# Altium PCB foxbms2-master.PcbDoc (part 6 of 11) (continued)
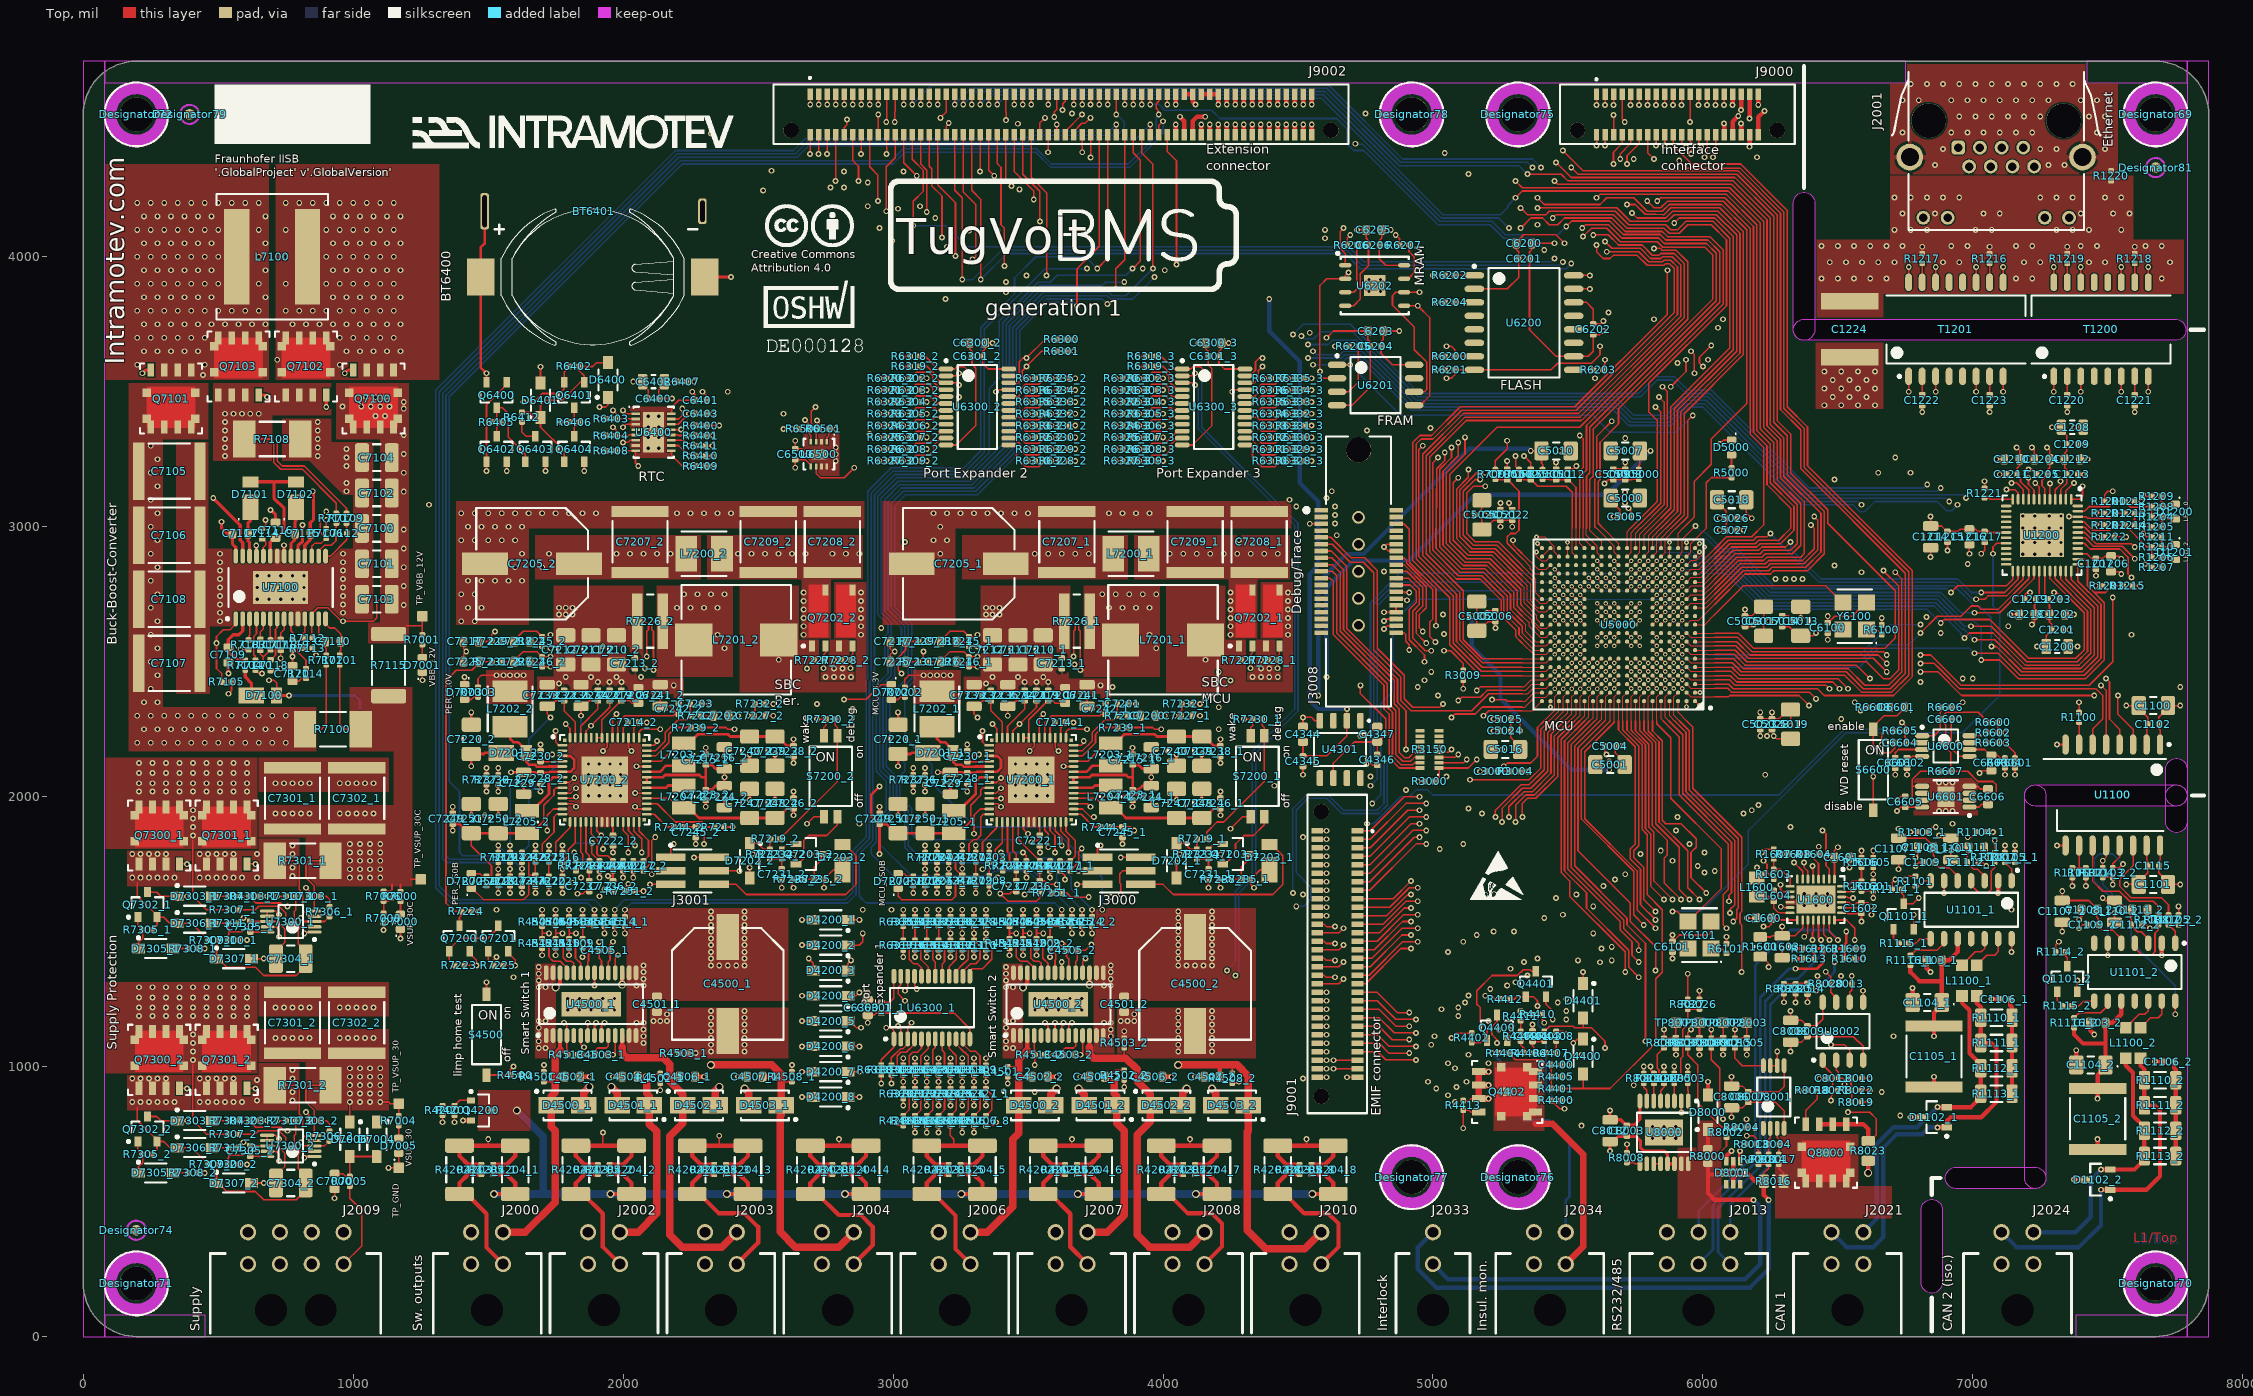
[diagram p0: Top view]
## Nets (pads, with @x,y where several pads share a name; then routed paths per layer and width w, separated by ;. In a path a pad name is that pad's centre, name@x,y a point inside that pad or via, vN(x,y) a via of type N, cw(c..) or ccw(c..) an arc to the next point about the centre after c; other vN are vias at no path point) (continued)
  Top w10: v2(3165.35,2090.35) C7229_1.2@3212.5,2090.35 3253.4,2090.35 3254.92,2088.83 C7228_1.2@3275,2088.83 3307.58,2088.83 3310.78,2092.03 U7200_1.6@3356.48,2092.03 3385.78,2092.03 3400,2106.25 3400,2137.5 3386.42,2151.08 U7200_1.3@3356.48,2151.08 ; U7200_1.35@3668.52,2052.66 U7200_1.36@3668.52,2072.34 3728.59,2072.34 3736.57,2080.32 3863.43,2080.32 3871.88,2071.88 3887.5,2071.88 ; 3887.5,2071.88 C7215_1.2@3887.5,2117.42 3909.68,2117.42 3923.71,2103.4 C7216_1.2@3956.25,2103.4 v2(3956.25,2071.88) C7224_1.2@3956.25,2040.35 3923.71,2040.35 3909.68,2026.33 C7223_1.2@3887.5,2026.33 3887.5,2071.88
  Top w16: v1(4330.71,4564.86) J9002.105@4330.71,4602.36 ; v1(4362.2,4564.86) J9002.107@4362.2,4602.36
  Int1 (Sig) w6: v2(3556.25,2306.25) 3587.5,2306.25 3650,2368.75 3650,2500 v2(3668.75,2518.75)
  Int5 (Pwr) w6: v2(900,3025) 997.85,3025 1037.5,3064.65 1037.5,3298.3 1126.7,3387.5 1537.5,3387.5 1587.5,3337.5 v2(1912.5,3337.5) ; v1(3075,1643.75) 3075,1687.5 ; v2(7156.25,2081.25) 7156.25,2153.92
  Int6 (Sig) w16: v1(4330.71,4564.86) v1(4362.2,4564.86) 4362.2,4587.2 4381.25,4606.25 4600,4606.25 4675,4531.25 4675,4175 v1(4600,4100) v1(4600,4068.75)
  other v2: 3137.5,2450 3162.5,2450 3187.5,2450 3212.5,2450 3343.75,2675 3368.75,2675 3393.75,2675 3343.75,2700 3368.75,2700 3393.75,2700
MCU_5.0V_LDO: C5010.2 C7234_1.2 C7235_1.2 FB5001.1 J9002.109 J9002.111 R6606.1 R7201.2 U7200_1.54 | length 8619.6
  Top w6: R7201.2@3118.75,1792.72 v2(3118.75,1818.75) ; U7200_1.54@3423.92,2218.52 3423.92,2261.42 3487.5,2325 C7234_1.2@3487.5,2354.92 3456.1,2354.92 3435.83,2334.65 C7235_1.2@3425,2334.65 v2(3425,2300) ; v2(5362.5,3281.25) C5010.2@5402.12,3281.25 5402.12,3235.38 5406.25,3231.25 FB5001.1@5406.25,3211.47 ; R6606.1@6917.72,2331.25 6945.76,2331.25 6962.5,2347.99 v2(6962.5,2350)
  Top w16: v1(4393.7,4564.61) J9002.109@4393.7,4602.36 ; v1(4425.2,4564.61) J9002.111@4425.2,4602.36
  Int3 (Sig) w16: v1(4750,4531.25) 4750,4487.5 4853.17,4384.33 v1(5043.75,4384.33) ; v2(5362.5,3281.25) 5430.81,3281.25 5457.64,3308.08 5588.74,3308.08 5608.84,3328.17 v1(5712.5,3328.17) 5965.58,3328.17 6031.25,3262.5 6662.5,3262.5 6725,3200 v1(6768.75,3200)
  Int1 (Sig) w6: v2(3118.75,1818.75) 3143.75,1793.75 3175,1793.75 3193.75,1812.5 3193.75,1975 3425,2206.25 v2(3425,2300)
  Int4 (Sig) w16: v2(3425,2300) 3458.08,2333.08 3567.36,2333.08 3594.19,2306.25 3812.5,2306.25 3881.25,2375 v1(4575,2375) ; v1(4393.7,4564.61) v1(4425.2,4564.61) 4425.2,4543.75 4437.7,4531.25 v1(4750,4531.25) ; v1(5043.75,4384.33) 5043.75,4343.75 5137.5,4250 5437.5,4250 5554.42,4133.08 5604.42,4133.08 5681.25,4056.25 5681.25,3703.99 5712.5,3672.74 v1(5712.5,3328.17) ; v1(6768.75,3200) 6768.75,2406.25 6825,2350 v2(6962.5,2350)
  Bottom w16: v1(4575,2375) 4575,2793.75 4680.27,2899.02 4742.77,2899.02 5133.08,3289.33 5354.42,3289.33 v2(5362.5,3281.25)
MCU_5.74V: C7220_1.2 C7221_1.2 D7201_1.1 Q4400.S R4402.2 U7200_1.53 | length 4206.6
  Top w6: U7200_1.53@3443.6,2218.52 3443.6,2243.6 v2(3468.75,2268.75) 3531.25,2331.25 C7221_1.2@3531.25,2354.92 ; v1(5068.75,1106.25) 5086.47,1123.97 R4402.2@5143.75,1123.97 ; Q4400.S@5274.9,1096.51 5274.9,1120.19 5289.88,1135.17 5289.88,1149.31 v1(5290.58,1150)
  Top w10: v2(3018.75,2112.5) C7220_1.2@3018.75,2158.37 3064.62,2158.37 3068.75,2162.5 D7201_1.1@3129.04,2162.5
  Int3 (Sig) w10: v2(3018.75,2112.5) 3125,2218.75 3418.75,2218.75 v2(3468.75,2268.75)
  Int1 (Sig) w6: v1(2993.75,1581.25) 2993.75,2087.5 v2(3018.75,2112.5)
  Int4 (Sig) w6: v1(2993.75,1581.25) 3018.75,1606.25 3787.5,1606.25 4093.75,1300 4143.75,1300 4512.5,931.25 4893.75,931.25 v1(5068.75,1106.25) 5206.25,1106.25 5212.5,1112.5 5253.08,1112.5 v1(5290.58,1150)
MCU_ADC.AD1EVT_1: J9002.56 U5000.N19 | length 3452.3
  Top w4: 5331.25,2856.25 5381.25,2806.25 5381.25,2754.77 U5000.N19@5404.04,2731.99
  Top w6: J9002.56@3543.31,4452.76 3543.31,4495.37 v1(3562.8,4514.86) ; v1(5193.75,3150) 5150,3150 5125,3125 5125,2975 5156.25,2943.75 5243.75,2943.75 5331.25,2856.25
  Int1 (Sig) w6: v1(3562.8,4514.86) 3562.8,4455.95 3606.25,4412.5 3731.25,4412.5 3793.75,4350 4043.75,4350 4125,4268.75 4918.75,4268.75 5212.5,3975 5212.5,3212.12 5215.58,3209.04 5215.58,3171.83 v1(5193.75,3150)
MCU_ADC.AD1IN0: C7245_1.2 R7244_1.2 U5000.W14 | length 3646
  Top w4: 5543.75,2993.75 5543.75,2938.73 U5000.W14@5561.52,2920.96
  Top w6: R7244_1.2@3805.22,1887.5 3832.47,1887.5 3833.8,1888.83 C7245_1.2@3850,1888.83 3879.92,1888.83 v2(3893.75,1875) ; 5543.75,2993.75 5543.75,3206.63 5556.25,3219.13 5556.25,3325 v1(5543.75,3337.5)
  Int3 (Sig) w6: v2(3893.75,1875) 3937.5,1831.25 4500,1831.25 v1(4518.75,1850) ; v1(4756.25,3356.25) 4943.75,3356.25 4975,3387.5 5018.75,3387.5 5053.17,3353.08 5316.82,3353.08 5332.4,3337.5 v1(5543.75,3337.5)
  Int1 (Sig) w6: v1(4518.75,1850) 4518.75,2050 4550,2081.25 4550,2979.77 4581.25,3011.02 4581.25,3250 4687.5,3356.25 v1(4756.25,3356.25)
MCU_ADC.AD1IN1: C7245_2.2 R7244_2.2 U5000.V17 | length 4549
  Top w4: v4(5383.61,2962.5) 5413.62,2962.5 5449.41,2926.71 5449.41,2907.09 U5000.V17@5467.03,2889.47
  Top w6: R7244_2.2@2223.97,1887.5 2251.22,1887.5 2252.55,1888.83 C7245_2.2@2268.75,1888.83 2284.95,1888.83 2300,1873.78 v2(2300,1825)
  Int3 (Sig) w6: v2(2300,1825) 2800,1825 v1(2875,1900) ; v1(2956.25,2625) 3112.5,2781.25 4765.35,2781.25 v1(4818.75,2834.65)
  Int1 (Sig) w6: v1(2875,1900) 2875,2393.75 2956.25,2475 v1(2956.25,2625) ; v1(4643.75,2968.75) 4731.25,2881.25 4772.15,2881.25 v1(4818.75,2834.65)
  Int6 (Sig) w4: 5331.25,2962.5 v4(5383.61,2962.5)
  Int6 (Sig) w6: v1(4643.75,2968.75) 4978.48,2968.75 4984.73,2975 5315.22,2975 5327.72,2962.5 5331.25,2962.5
MCU_ADC.AD1IN2: C8000.2 R8001.1 TP8000.1 U5000.V18 | length 2475.7
  Top w4: v4(5383.61,2906.25) 5383.61,2890.28 5400.71,2873.17 5419.24,2873.17 U5000.V18@5435.53,2889.47
  Top w6: v1(5956.25,1137.5) 5943.75,1125 R8001.1@5943.75,1105.22 5968.93,1105.22 5971.3,1107.58 C8000.2@5987.5,1107.58 ; TP8000.1@5987.5,1162.5 C8000.2@5987.5,1107.58 ; C8000.2@5989.47,1107.58 C8000.2@5987.5,1107.58
  Int3 (Sig) w6: v1(5493.75,1206.25) 5512.5,1206.25 5556.25,1162.5 5931.25,1162.5 v1(5956.25,1137.5)
  Int6 (Sig) w4: v4(5383.61,2906.25) 5383.61,2797.64 5387.5,2793.75 5387.5,2281.25
  Int6 (Sig) w6: 5387.5,2281.25 5387.5,1537.5 5431.25,1493.75 5431.25,1237.5 5462.5,1206.25 v1(5493.75,1206.25)
MCU_ADC.AD1IN3: C8002.2 R8009.1 TP8002.1 U5000.T17 | length 2416.2
  Top w4: v3(5451.28,2842.22) U5000.T17@5467.03,2826.48
  Top w6: v1(6031.25,1137.5) R8009.1@6031.25,1105.22 6056.43,1105.22 6058.8,1107.58 C8002.2@6075,1107.58 TP8002.1@6075,1162.5
  Int3 (Sig) w6: v1(5462.5,1237.5) 5464.81,1237.5 5474.14,1228.17 5509.33,1228.17 5562.5,1175 5993.75,1175 v1(6031.25,1137.5)
  Int6 (Sig) w4: 5400,2281.25 5400,2790.94 v3(5451.28,2842.22)
  Int6 (Sig) w6: 5400,2281.25 5400,1625 5443.75,1581.25 5443.75,1256.25 v1(5462.5,1237.5)
MCU_ADC.AD1IN4: C8001.2 R8006.1 TP8001.1 U5000.U18 | length 2576.8
  Top w4: 5331.25,2900 5389.45,2841.8 5419.36,2841.8 U5000.U18@5435.53,2857.97
  Top w6: v1(5296.92,2950) 5296.92,2934.33 5331.25,2900 ; v1(5856.25,1137.5) R8006.1@5856.25,1105.22 5881.43,1105.22 5883.8,1107.58 C8001.2@5900,1107.58 TP8001.1@5900,1162.5
  Int3 (Sig) w6: v1(5493.75,1175) 5518.75,1175 5556.25,1137.5 v1(5856.25,1137.5)
  Int6 (Sig) w4: 5331.25,2915.67 5368.75,2878.17 5368.75,2793.75 5375,2787.5 5375,2281.25
  Int6 (Sig) w6: v1(5296.92,2950) 5331.25,2915.67 ; 5375,2281.25 5375,1531.25 5418.75,1487.5 5418.75,1231.25 5475,1175 v1(5493.75,1175)
MCU_ADC.AD1IN5: C8005.2 R8015.1 TP8003.1 U5000.R17 | length 2436.2
  Top w4: v3(5451.28,2810.73) U5000.R17@5467.03,2794.98
  Top w6: v1(6118.75,1137.5) R8015.1@6118.75,1105.22 6143.93,1105.22 6146.3,1107.58 C8005.2@6162.5,1107.58 TP8003.1@6162.5,1162.5
  Int3 (Sig) w6: v1(5493.75,1250) 5505.58,1238.17 5518.08,1238.17 5568.75,1187.5 6068.75,1187.5 v1(6118.75,1137.5)
  Int6 (Sig) w4: 5412.5,2281.25 5412.5,2771.95 v3(5451.28,2810.73)
  Int6 (Sig) w6: 5412.5,2281.25 5412.5,1631.25 5456.25,1587.5 5456.25,1287.5 v1(5493.75,1250)
MCU_ADC.AD1IN6: C7001.2 R7007.2 U5000.T19 | length 508
  Top w4: 5331.25,2882.44 5361.13,2852.56 5361.13,2845.12 5379.77,2826.48 U5000.T19@5404.04,2826.48
  Top w6: R7007.2@5231.25,3176.03 5246.08,3176.03 5248.44,3173.67 C7001.2@5275,3173.67 5276.97,3173.67 5318.75,3131.89 5318.75,2987.5 5306.25,2975 5287.5,2975 5275,2962.5 5275,2938.69 5331.25,2882.44
MCU_ADC.AD1IN7: U5000.V14
MCU_ADC.AD1IN8: U5000.P18
MCU_ADC.AD1IN9: U5000.W17
MCU_ADC.AD1IN10: U5000.U17
MCU_ADC.AD1IN11: U5000.U19
MCU_ADC.AD1IN12: U5000.T16
MCU_ADC.AD1IN13: U5000.T18
MCU_ADC.AD1IN14: U5000.R18
MCU_ADC.AD1IN15: U5000.P19
MCU_ADC.AD1IN16: U5000.V13
MCU_ADC.AD1IN17: U5000.U13
MCU_ADC.AD1IN18: U5000.U14
MCU_ADC.AD1IN19: U5000.U16
MCU_ADC.AD1IN20: U5000.U15
MCU_ADC.AD1IN21: U5000.T15
MCU_ADC.AD1IN22: U5000.R19
MCU_ADC.AD1IN23: U5000.R16
MCU_ADC.AD1IN24: J9002.58 U5000.N18 | length 3362.4
  Top w4: 5331.25,2837.5 5373.25,2795.5 5373.25,2739.25 5396.19,2716.31 5419.85,2716.31 U5000.N18@5435.53,2731.99
  Top w6: v1(3574.51,4387.5) 3574.51,4426.81 3574.8,4427.1 J9002.58@3574.8,4452.76 ; v1(5175,3175) 5156.25,3175 5112.5,3131.25 5112.5,2968.75 5150,2931.25 5237.5,2931.25 5331.25,2837.5
  Int1 (Sig) w6: v1(3574.51,4387.5) 3637.01,4325 4031.25,4325 4112.5,4243.75 4906.25,4243.75 5187.5,3962.5 5187.5,3231.25 5168.75,3212.5 5168.75,3194.13 5173.06,3189.83 5173.06,3176.94 v1(5175,3175)
MCU_ADC.AD1IN25: J9002.59 U5000.P17 | length 3329.7
  Top w4: v4(5451.28,2779.23) U5000.P17@5467.03,2763.48
  Top w6: v1(3597.05,4518.04) 3597.05,4536.61 3606.55,4546.11 3606.3,4546.36 J9002.59@3606.3,4602.36
  Int1 (Sig) w4: 5381.25,2993.75 5462.5,2912.5 5462.5,2856.25 5468.75,2850 5468.75,2796.7 v4(5451.28,2779.23)
  Int1 (Sig) w6: v1(3597.05,4518.04) 3581.25,4502.24 3581.25,4456.25 3612.5,4425 3743.75,4425 3806.25,4362.5 4050,4362.5 4131.25,4281.25 4925,4281.25 5225,3981.25 5225,3212.5 5318.75,3118.75 5318.75,3056.25 5381.25,2993.75
MCU_ADC.AD1IN26: J9002.60 U5000.P16 | length 3239
  Top w4: v4(5482.78,2779.23) U5000.P16@5498.52,2763.48
  Top w6: J9002.60@3606.3,4452.76 v1(3606.3,4489.86)
  Int1 (Sig) w4: 5400,2993.75 5500,2893.75 5500,2796.46 v4(5482.78,2779.23)
  Int1 (Sig) w6: v1(3606.3,4489.86) 3606.3,4462.2 3631,4437.5 3750,4437.5 3812.5,4375 4056.25,4375 4137.5,4293.75 4931.25,4293.75 5237.5,3987.5 5237.5,3218.75 5331.25,3125 5331.25,3062.5 5400,2993.75
MCU_ADC.AD1IN27: J9002.61 U5000.P15 | length 3288
  Top w4: v4(5514.27,2779.23) U5000.P15@5530.02,2763.48
  Top w6: v1(3628.22,4543.57) 3628.22,4567.14 3637.8,4576.71 J9002.61@3637.8,4602.36 J9002.61@3636.31,4600.87
  Int1 (Sig) w4: 5418.75,2993.75 5514.27,2898.23 v4(5514.27,2779.23)
  Int1 (Sig) w6: v1(3628.22,4543.57) 3628.22,4496.78 3675,4450 3756.25,4450 3818.75,4387.5 4062.5,4387.5 4143.75,4306.25 4937.5,4306.25 5250,3993.75 5250,3225 5343.75,3131.25 5343.75,3068.75 5418.75,2993.75
MCU_ADC.AD1IN28: U5000.R15
MCU_ADC.AD1IN29: U5000.R14
MCU_ADC.AD1IN30: U5000.T14
MCU_ADC.AD1IN31: U5000.T13
MCU_ADC.AD2EVT_1: J9002.57 U5000.T10 | length 3468.8
  Top w4: v3(5671.75,2842.22) U5000.T10@5687.5,2826.48
  Top w6: v1(3574.8,4564.86) J9002.57@3574.8,4602.36
  Int1 (Sig) w4: 5520.23,2993.75 5631.25,2882.73 5631.25,2856.25 5645.28,2842.22 v3(5671.75,2842.22)
  Int1 (Sig) w6: v1(3574.8,4564.86) 3609.94,4600 4066,4600 4087.5,4578.5 4087.5,4548.25 4102.5,4533.25 4102.5,4403.91 4162.66,4343.75 4956.25,4343.75 5287.5,4012.5 5287.5,3425 5412.5,3300 5412.5,3101.48 5520.23,2993.75
MCU_ADC.AD2IN16: J9002.62 U5000.W13 | length 4023.1
  Top w4: 5556.25,2993.75 5556.25,2957.73 U5000.W13@5593.01,2920.96
  Top w6: J9002.62@3637.8,4452.76 3637.8,4464.57 3700.3,4527.07 v1(3700.3,4527.36) ; 5556.25,2993.75 5556.25,3197.35 5568.75,3209.85 5568.75,3375 6035.98,3842.23 6035.98,4007.77 6007.77,4035.98 5851.52,4035.98 5831.25,4056.25 5693.75,4056.25 5643.75,4106.25 5587.5,4106.25 v1(5556.25,4075)
  Int4 (Sig) w6: v1(3700.3,4527.36) 3700.3,4450.46 3782.01,4368.75 4931.25,4368.75 5131.25,4168.75 5275,4168.75 5300,4143.75 5406.25,4143.75 5475,4075 v1(5556.25,4075)
MCU_ADC.AD2IN17: J9002.63 U5000.W12 | length 4066.3
  Top w4: 5581.25,2993.75 5581.25,2987.5 5624.51,2944.24 U5000.W12@5624.51,2920.96
  Top w6: v1(3669.29,4564.86) J9002.63@3669.29,4602.36 ; v1(5493.75,4112.5) 5514.02,4132.77 5654.73,4132.77 5704.73,4082.77 5842.23,4082.77 5862.5,4062.5 6018.75,4062.5 6062.5,4018.75 6062.5,3831.25 5593.75,3362.5 5593.75,3187.5 5581.25,3175 5581.25,2993.75
  Int4 (Sig) w6: v1(3669.29,4564.86) 3691.93,4587.5 3968.75,4587.5 3984.52,4571.73 3984.52,4559.52 4025,4519.05 4025,4475 4037.5,4462.5 4556.25,4462.5 4600,4418.75 v1(4712.5,4418.75)
  Bottom w6: v1(4712.5,4418.75) 4714.27,4416.98 4739.27,4416.98 5025,4131.25 5218.75,4131.25 5268.75,4081.25 5462.5,4081.25 v1(5493.75,4112.5)
MCU_ADC.AD2IN18: J9002.64 U5000.V12 | length 4003.8
  Top w4: 5568.75,2993.75 5568.75,2968.75 5609.44,2928.06 5609.44,2904.53 U5000.V12@5624.51,2889.47
  Top w6: J9002.64@3669.29,4452.76 3669.29,4464.57 3699.28,4494.55 3711.24,4494.55 v1(3731.55,4514.86) ; v1(5553.08,4106.25) 5566.34,4119.51 5649.24,4119.51 5699.24,4069.51 5836.74,4069.51 5857.01,4049.24 6013.26,4049.24 6049.24,4013.26 6049.24,3836.74 5581.25,3368.75 5581.25,3200 5568.75,3187.5 5568.75,2993.75
  Int4 (Sig) w6: v1(3731.55,4514.86) 3731.55,4487.2 3837.5,4381.25 4937.5,4381.25 5137.5,4181.25 5281.25,4181.25 5306.25,4156.25 5412.5,4156.25 5425,4168.75 5490.58,4168.75 v1(5553.08,4106.25)
MCU_ADC.AD2IN19: J9002.65 U5000.U12 | length 3250.2
  Top w4: v4(5608.76,2873.72) U5000.U12@5624.51,2857.97
  Top w6: v1(3700.79,4564.86) J9002.65@3700.79,4602.36
  Int1 (Sig) w4: 5488.73,2993.75 v4(5608.76,2873.72)
  Int1 (Sig) w6: v1(3700.79,4564.86) 3700.79,4564.97 3723.32,4587.5 4062.5,4587.5 4076.75,4573.25 4076.75,4544 4092.5,4528.25 4092.5,4395 4156.25,4331.25 4950,4331.25 5275,4006.25 5275,3418.75 5400,3293.75 5400,3082.48 5488.73,2993.75
MCU_ADC.AD2IN20: U5000.T11
MCU_ADC.AD2IN21: U5000.U11
MCU_ADC.AD2IN22: U5000.V11
MCU_ADC.AD2IN23: U5000.W11
MCU_ADC.AD2IN24: U5000.V19 U5000.W18 | length 44.5
  Top w4: U5000.V19@5404.04,2889.47 U5000.W18@5435.53,2920.96
MCU_CAN1.RX_1: R1108_1.1 U5000.B10 | length 2743.9
  Top w4: 5671.75,2281.25 5671.75,2369.78 U5000.B10@5687.5,2385.53
  Top w6: 5671.75,2281.25 5671.75,2276.07 5562.5,2166.82 5562.5,1918.75 5756.25,1725 5756.25,1581.25 v1(5825,1512.5) ; R1108_1.1@7081.25,1792.72 v1(7081.25,1837.5)
  Int3 (Sig) w6: v1(5825,1512.5) 5843.75,1531.25 5968.75,1531.25 6137.5,1700 6556.25,1700 6600,1656.25 6837.5,1656.25 6868.75,1687.5 7062.5,1687.5 7180.88,1805.88 7180.88,1837.5 7155.88,1862.5 7106.25,1862.5 v1(7081.25,1837.5)
MCU_CAN1.TX_1: R1107_1.1 U5000.A10 | length 2384.2
  Top w4: 5687.5,2281.25 U5000.A10@5687.5,2354.04
  Top w6: 5687.5,2281.25 5687.5,2247.42 5750,2184.92 5750,1825 5731.25,1806.25 5731.25,1768.75 5768.75,1731.25 5768.75,1600 v1(5825,1543.75) ; R1107_1.1@7118.75,1792.72 v1(7118.75,1818.75)
  Int3 (Sig) w6: v1(5825,1543.75) 5962.5,1543.75 6131.25,1712.5 6562.5,1712.5 6606.25,1668.75 6831.25,1668.75 6862.5,1700 7053.81,1700 7118.75,1764.94 v1(7118.75,1818.75)
MCU_CAN2.RX_1: U1100.6 U5000.H1 | length 1790.2
  Top w4: U5000.H1@5970.96,2574.51 6043.75,2574.51
  Top w6: 6043.75,2574.51 6125.49,2574.51 6175,2525 6650,2525 v1(6681.25,2493.75) ; v1(6806.25,2493.75) 6857.32,2493.75 6875.3,2475.78 6951.07,2400 7456.25,2400 7481.25,2375 7481.25,2287.5 7443.75,2250 U1100.6@7443.75,2193.26
  Int3 (Sig) w6: v1(6681.25,2493.75) v1(6806.25,2493.75)
MCU_CAN2.TX_1: U1100.3 U5000.H2 | length 1885.7
  Top w4: U5000.H2@5939.47,2574.51 5955.22,2558.76 6043.75,2558.76
  Top w6: 6043.75,2558.76 6121.75,2558.76 6168.01,2512.5 6631.25,2512.5 v1(6681.25,2462.5) ; v1(6806.25,2462.5) 6870.89,2462.5 6958.39,2375 v1(7450,2375) ; v1(7537.5,2375) 7537.5,2306.25 7593.75,2250 U1100.3@7593.75,2193.26
  Int3 (Sig) w6: v1(6681.25,2462.5) v1(6806.25,2462.5) ; v1(7450,2375) v1(7537.5,2375)
MCU_CAN3.RX_1: J9002.33 U5000.M19 | length 3918
  Top w4: 5331.25,2818.75 5362.5,2787.5 5362.5,2725 5387.01,2700.49 U5000.M19@5404.04,2700.49
  Top w6: v1(3175.3,4514.86) 3196.85,4536.42 J9002.33@3196.85,4602.36 ; v1(5193.75,3200) 5162.5,3200 5100,3137.5 5100,2962.5 5143.75,2918.75 5231.25,2918.75 5331.25,2818.75
  Int1 (Sig) w6: v1(3175.3,4514.86) 3203.47,4543.04 3511.81,4543.04 3537.5,4517.35 3537.5,4462.5 3662.5,4337.5 4037.5,4337.5 4118.75,4256.25 4912.5,4256.25 5200,3968.75 5200,3219.13 5195.69,3214.83 5195.69,3201.94 v1(5193.75,3200)
MCU_CAN3.TX_1: J9002.34 U5000.M18 | length 3871.4
  Top w4: 5331.25,2800 5350,2781.25 5350,2725 5390.07,2684.93 5419.97,2684.93 U5000.M18@5435.53,2700.49
  Top w6: J9002.34@3196.85,4452.76 3196.85,4484.84 3206.55,4494.53 v1(3206.55,4496.11) ; v1(5131.25,3212.5) 5131.25,3182.89 5087.6,3139.25 5087.6,2956.15 5137.5,2906.25 5225,2906.25 5331.25,2800
  Int1 (Sig) w6: v1(3206.55,4496.11) 3233.61,4496.11 3268.75,4531.25 3507.92,4531.25 3525,4514.17 3525,4456.25 3543.75,4437.5 3543.75,4381.25 3612.5,4312.5 4025,4312.5 4106.25,4231.25 4900,4231.25 5175,3956.25 5175,3256.25 v1(5131.25,3212.5)
MCU_CAN4.RX_1: J9002.35 U5000.W10 | length 4740.1
  Top w4: 5631.25,2993.75 5687.5,2937.5 U5000.W10@5687.5,2920.96
  Top w6: v1(3228.35,4564.86) J9002.35@3228.35,4602.36 ; v1(5325,4106.25) 5362.5,4143.75 5406.25,4143.75 5431.25,4118.75 5462.5,4118.75 5487.5,4143.75 5662.5,4143.75 5712.5,4093.75 5850,4093.75 5868.75,4075 6025,4075 6075,4025 6075,3825 5687.5,3437.5 5687.5,3381.25 5618.75,3312.5 5618.75,3173.67 5612.5,3167.42 5612.5,3012.5 5631.25,2993.75
  Int3 (Sig) w6: v1(5325,4106.25) 5362.5,4143.75 5362.5,4231.25 5381.25,4250 5381.25,4318.75 v1(5368.75,4331.25)
  Bottom w6: v1(3228.35,4564.86) 3288.48,4625 4606.25,4625 4881.25,4350 5350,4350 v1(5368.75,4331.25)
MCU_CAN4.TX_1: J9002.36 U5000.F2 | length 6970.1
  Top w4: U5000.F2@5939.47,2511.52 5955.22,2495.77 6043.75,2495.77
  Top w6: J9002.36@3228.35,4452.76 3228.35,4246.65 3256.25,4218.75 v1(3256.25,3915.67) ; v1(5481.25,4393.75) 5556.25,4318.75 5632.57,4318.75 6129.99,4318.75 6287.5,4161.24 6287.5,3434.28 6362.5,3359.28 6362.5,3215.53 6750,2828.03 6750,2456.25 6693.75,2400 6593.75,2400 6531.25,2462.5 6142.52,2462.5 6109.25,2495.77 6043.75,2495.77
  Int3 (Sig) w6: v1(5481.25,3981.25) 5518.75,4018.75 5518.75,4287.5 5481.25,4325 v1(5481.25,4393.75)
  Bottom w6: v1(3256.25,3915.67) 3294.13,3915.67 3403.46,4025 4681.25,4025 4737.5,3968.75 5468.75,3968.75 v1(5481.25,3981.25)
MCU_CLK.2.22MHz_1: R7251_1.1 U5000.A12 U7200_1.20 | length 4993.5
  Top w4: 5618.75,2281.25 5624.51,2287.01 U5000.A12@5624.51,2354.04
  Top w6: U7200_1.20@3482.97,1906.48 3482.97,1879.53 v2(3500,1862.5) ; v1(3512.72,1654.15) 3527.32,1668.75 3563.53,1668.75 R7251_1.1@3588.53,1643.75 ; 5618.75,2281.25 5525,2187.5 5525,1743.75 5718.75,1550 5718.75,1525 5787.5,1456.25 v1(5787.5,1093.75)
  Int3 (Sig) w6: v1(4518.75,956.25) 4537.5,937.5 4718.75,937.5 4812.5,843.75 5356.25,843.75 5425,912.5 5725,912.5 v1(5743.75,931.25)
  Int1 (Sig) w6: v2(3500,1862.5) 3487.5,1850 3487.5,1818.75 3518.75,1787.5 3518.75,1690.67 3512.72,1684.64 v1(3512.72,1654.15) ; v1(4518.75,956.25) v1(4518.75,1637.5) ; v1(5743.75,931.25) 5743.75,1050 v1(5787.5,1093.75)
  Int6 (Sig) w6: v1(3512.72,1654.15) 3513.7,1653.17 3709.42,1653.17 3725,1668.75 3862.5,1668.75 3912.5,1618.75 4500,1618.75 v1(4518.75,1637.5)
MCU_CLK.20MHz_1: U5000.K1 Y6100.3 | length 634
  Top w4: U5000.K1@5970.96,2637.5 6006.25,2637.5 6043.75,2675
  Top w6: 6043.75,2675 6150.44,2781.69 6454.28,2781.69 6517.22,2718.75 Y6100.3@6519.19,2718.75
MCU_CLK.25MHz_1: U1200.20 U5000.B5 Y6101.3 | length 3310.5
  Top w4: 5829.23,2281.25 5829.23,2369.78 U5000.B5@5844.98,2385.53
  Top w6: 5829.23,2281.25 5829.23,2270.32 5881.25,2218.31 5881.25,1993.75 6068.75,1806.25 6068.75,1660.09 5946.16,1537.5 Y6101.3@5944.19,1537.5 5942.22,1537.5 5904.72,1575 v1(5887.5,1575) ; v2(7075,2900) 7075,2925 7089.22,2939.22 U1200.20@7123.38,2939.22
  Bottom w6: v1(5887.5,1575) 5993.75,1575 6168.75,1750 6168.75,1875 6531.25,2237.5 6962.5,2237.5 7100,2375 7100,2681.25 7075,2706.25 v2(7075,2900)
MCU_DCC.1_1: J9002.50 U5000.J17 | length 3518
  Top w4: v3(5451.28,2590.26) U5000.J17@5467.03,2606
  Top w6: J9002.50@3448.82,4452.76 3448.82,4316.04 3521.36,4243.5 v1(3521.36,4212.5)
  Int4 (Sig) w4: 5425,2993.75 5431.25,2987.5 5431.25,2893.75 5406.25,2868.75 5406.25,2635.29 v3(5451.28,2590.26)
  Int4 (Sig) w6: v1(3521.36,4212.5) 3640.33,4212.5 3647.34,4205.49 4865.22,4205.49 5275,3795.71 5275,3425 5400,3300 5400,3150 5412.5,3137.5 5412.5,3006.25 5425,2993.75
MCU_DCC.2_1: U5000.D6 U6400.6 | length 4948.5
  Top w4: U5000.D6@5813.48,2448.52 v3(5829.23,2432.78)
  Top w6: v2(2000,3312.5) 2018.24,3312.5 2026.22,3320.47 U6400.6@2045.96,3320.47
  Int3 (Sig) w6: v2(2000,3312.5) 2000,3231.25 2100,3131.25 4475,3131.25 4593.75,3012.5 v1(4637.5,3012.5)
  Int6 (Sig) w4: 5643.75,2993.75 5718.75,2918.75 5718.75,2459.25 5728.59,2449.41 5812.59,2449.41 v3(5829.23,2432.78)
  Int6 (Sig) w6: v1(4637.5,3012.5) 4581.25,3068.75 4581.25,3131.25 4637.5,3187.5 4918.75,3187.5 4968.75,3137.5 5087.5,3137.5 5175,3225 5212.5,3225 5300,3137.5 5500,3137.5 5643.75,2993.75
MCU_DMM.\ENA_1: U5000.F16
MCU_DMM.CLK_1: U5000.F17
MCU_DMM.DATA0_1: U5000.L19
MCU_DMM.DATA1_1: U5000.L18
MCU_DMM.SYNC_1: U5000.J16
MCU_ECAP.4_1: J9002.53 U5000.G19 | length 4117.8
  Top w4: 5331.25,2587.5 5375.74,2543.01 U5000.G19@5404.04,2543.01
  Top w6: v1(3511.81,4564.86) J9002.53@3511.81,4602.36 ; v1(5018.75,3256.25) 5000,3237.5 5000,2912.5 5093.75,2818.75 5181.25,2818.75 5262.5,2737.5 5262.5,2681.25 5318.75,2625 5318.75,2600 5331.25,2587.5
  Int3 (Sig) w6: v1(3493.75,3931.25) 3493.75,4218.75 3511.81,4236.81 v1(3511.81,4564.86)
  Int1 (Sig) w6: v1(3493.75,3931.25) 3518.75,3906.25 3575,3906.25 3812.5,4143.75 4856.25,4143.75 5087.5,3912.5 5087.5,3393.75 5018.75,3325 v1(5018.75,3256.25)
MCU_ECAP.5_1: J9002.54 U5000.H18 | length 3930.5
  Top w4: 5331.25,2606.25 5378.74,2558.76 5419.78,2558.76 U5000.H18@5435.53,2574.51
  Top w6: J9002.54@3511.81,4452.76 3511.81,4294.44 3568.75,4237.5 v1(3568.75,3931.25) ; v1(5043.75,3275) 5043.75,3245.39 5013.65,3215.29 5011.25,2922.53 5011.25,2920 5013.01,2918.24 5100,2831.25 5187.5,2831.25 5275,2743.75 5275,2687.5 5331.25,2631.25 5331.25,2606.25
  Int1 (Sig) w6: v1(3568.75,3931.25) 3570.52,3933.02 3583.02,3933.02 3806.25,4156.25 4862.5,4156.25 5100,3918.75 5100,3387.5 5043.75,3331.25 v1(5043.75,3275)
MCU_EMIF.\CAS_1: J9001.43 U5000.R4 | length 2983.8
  Top w4: U5000.R4@5876.48,2794.98 v3(5892.22,2810.73)
  Top w6: J9001.43@4720.47,1212.6 4799.9,1212.6 4862.89,1149.61 v1(4912.5,1149.61)
  Int3 (Sig) w6: v1(4912.5,1149.61) 5072.07,1149.61 5084.18,1137.5 v1(5243.75,1137.5)
  Int1 (Sig) w4: v3(5892.22,2810.73) 5908.86,2794.09 5943.41,2794.09 6043.75,2693.75
  Int1 (Sig) w6: v1(5243.75,1137.5) 5243.75,1181.25 5300,1237.5 5343.75,1237.5 5450,1343.75 5450,1406.25 5575,1531.25 5625,1531.25 5775,1681.25 6050,1681.25 6106.25,1737.5 6106.25,2181.25 6168.75,2243.75 6168.75,2568.75 6043.75,2693.75